# Altium PCB J-Link Cortex with VCOM Adapter.PcbDoc
Units mil, origin at the board's own origin, x right, y up, seen from the top; angles counter-clockwise.
Board outline 1320 x 990 mil, 2 copper layers (Top Layer, Bottom Layer), stack 61.756 mil thick; 19 components, 20 nets, 76 pads, 29 vias.
Unrouted connection lines stored in the file: 9.
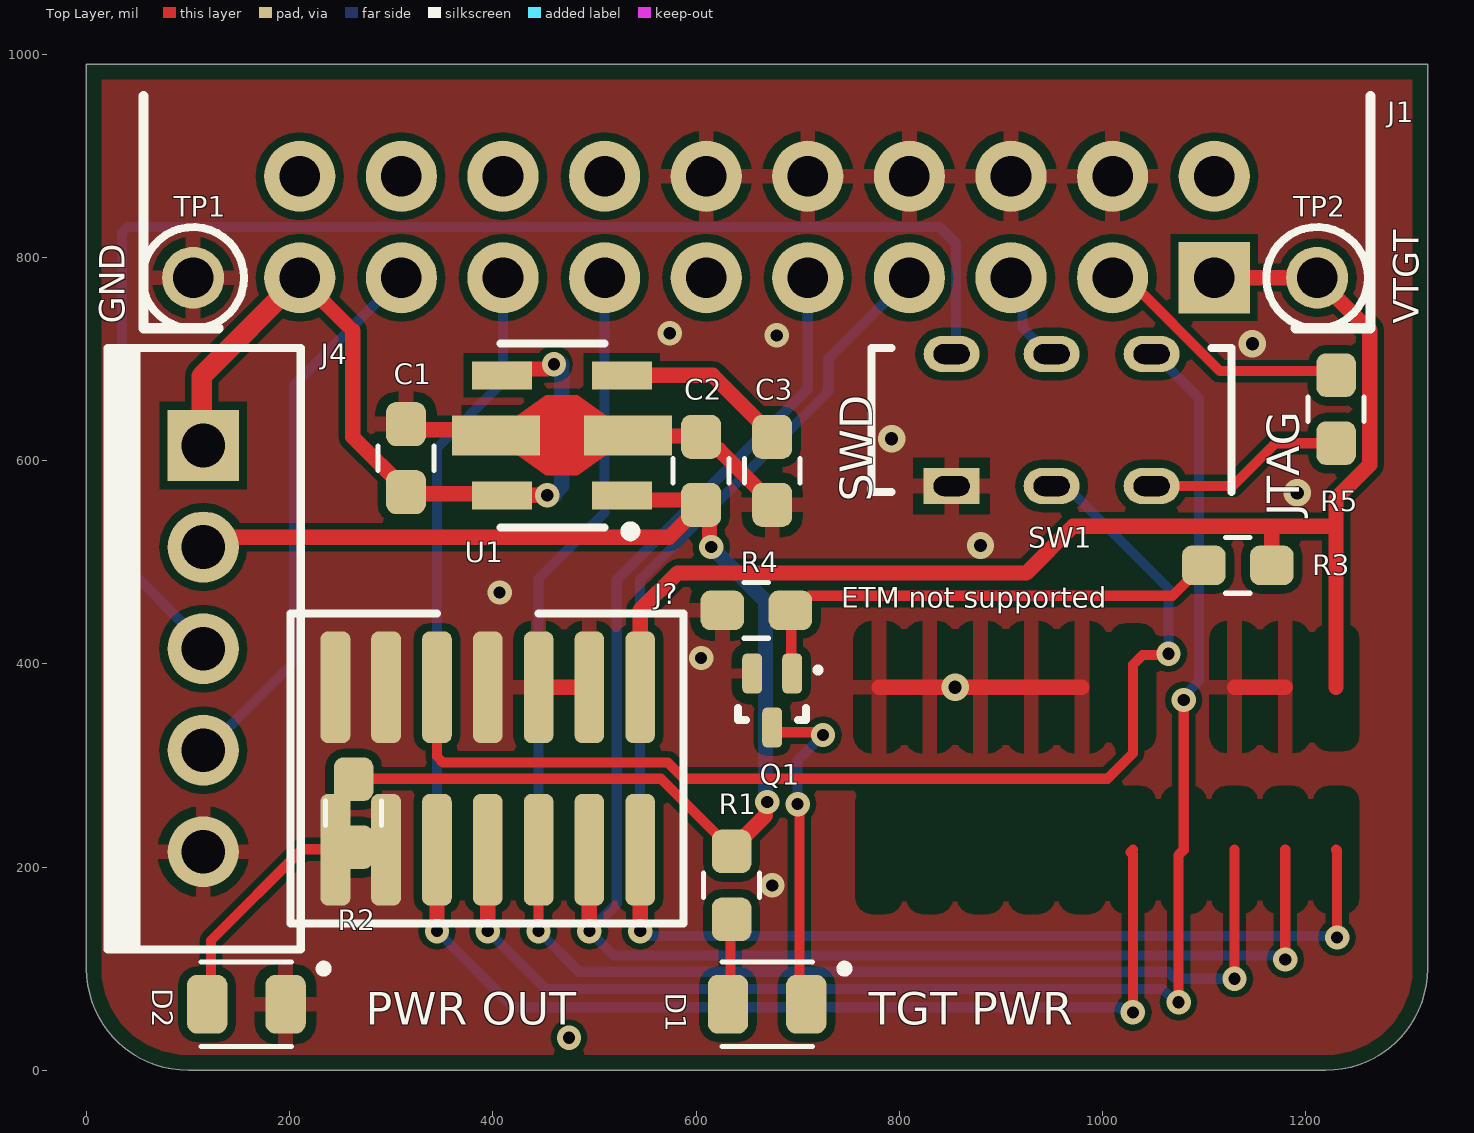
[diagram p0: Top Layer view]
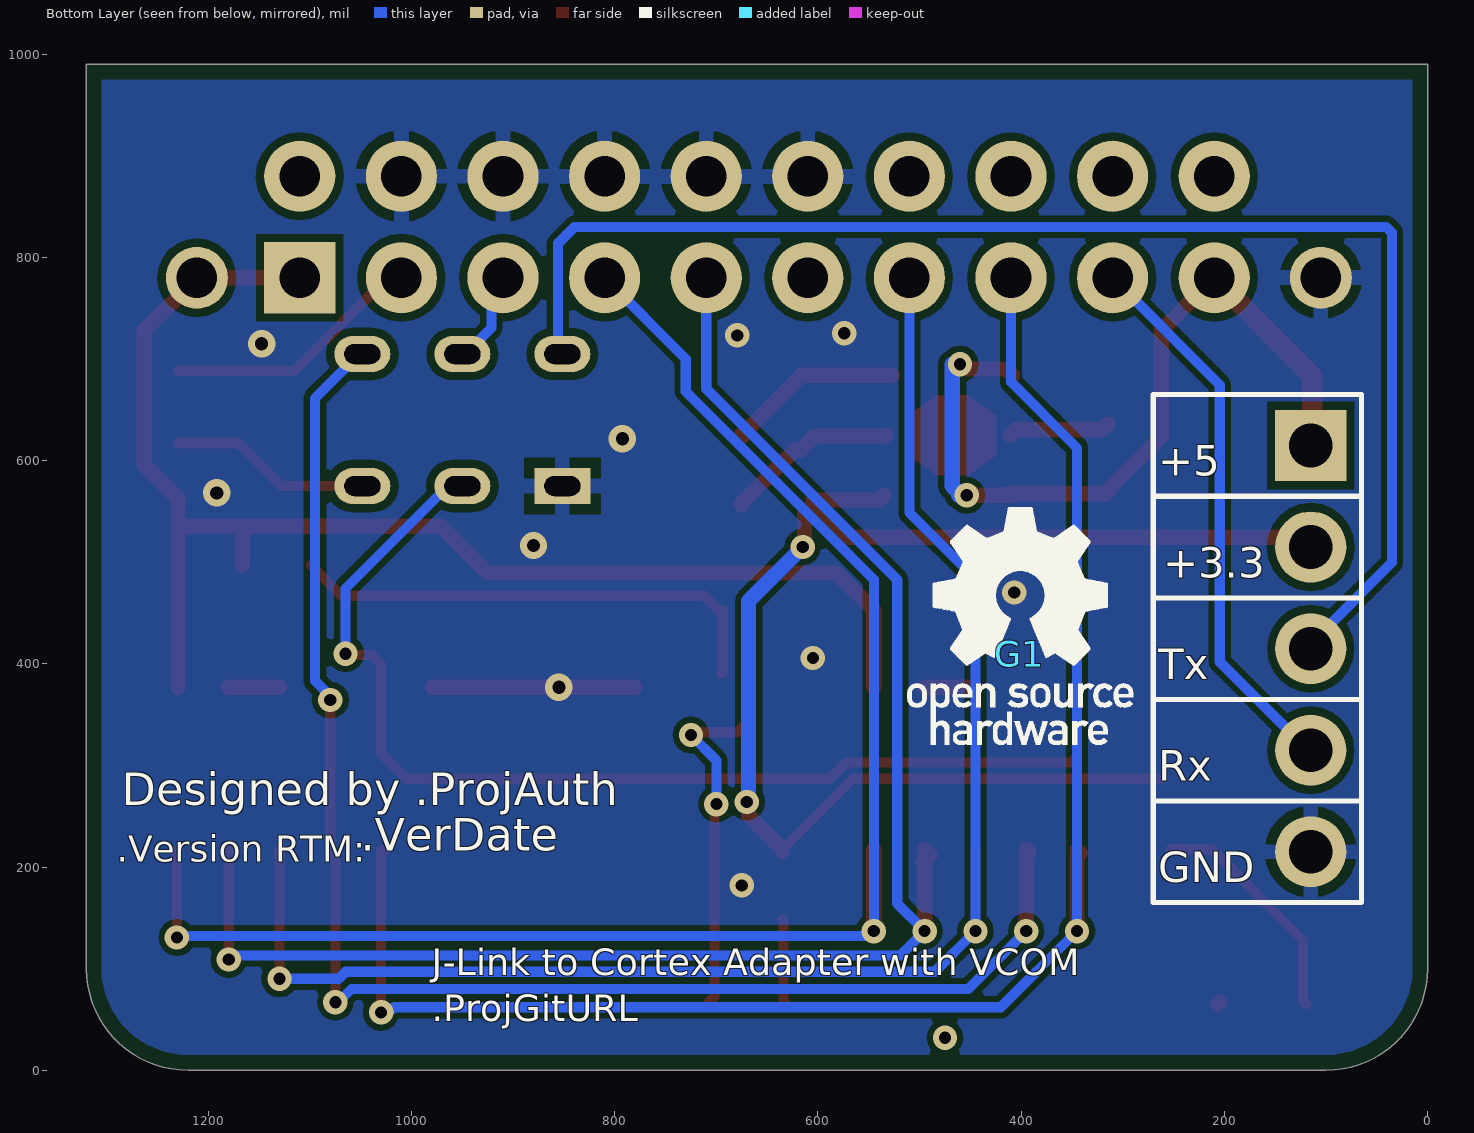
[diagram p1: Bottom Layer view, seen from below]
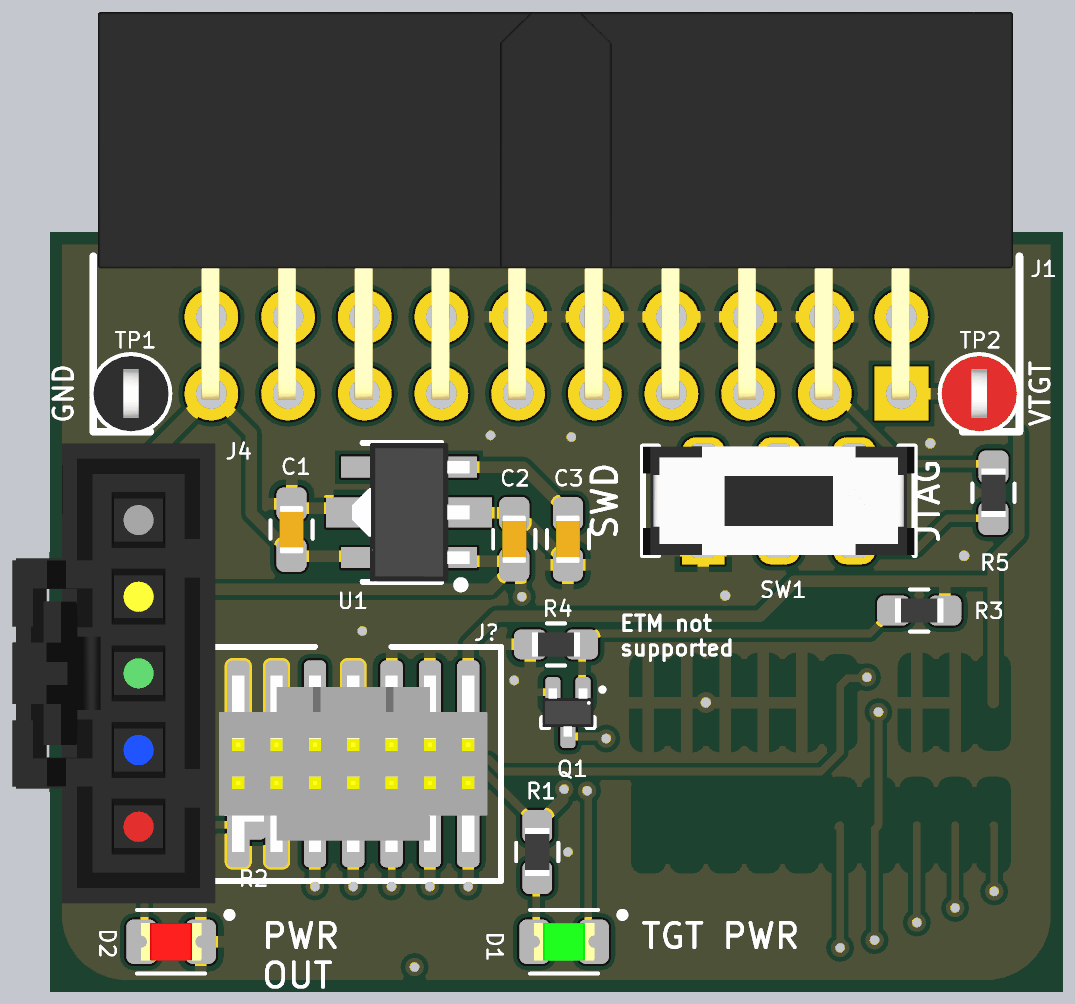
[diagram p2: 3D render of the assembled board from above, using the file's embedded part models]

## Layer stack, top to bottom
Top Solder: solder mask 1, PSR-4000BN, Dk 4.5
Top Layer: signal copper 1.378
Dielectric 1: core 59, Kingboard KB6167F, Dk 4.5
Bottom Layer: signal copper 1.378
Bottom Solder: solder mask 1, PSR-4000BN, Dk 4.5

## Board outline
0,100 ccw(c100,100) 100,0 300.72,0 1220,0 ccw(c1220,100) 1320,100 1320,990 0,990

## Design rules (kind name [scope] priority, off if disabled: settings)
BoardOutlineClearance [All] p1: gap=15 ignorepadtopadclearanceinfootprint=FALSE
Clearance [All] p1: gap=6 ignorepadtopadclearanceinfootprint=FALSE except(8: SMDPad-Poly THPad-Poly; 12: Arc-Hole Track-Hole SMDPad-Hole THPad-Hole Via-Hole Fill-Hole Poly-Hole Region-Hole Text-Hole)
ComponentClearance [All] p1: gap=5 collisioncheckmode=3 verticalgap=5 showdistances=TRUE
Creepage [All] p1: checkdistance=3 ignoreinternallayers=FALSE
DiffPairsRouting [All] p1: maxlimit=10 minlimit=5 mostfreqgap=5 toplayer_minwidth=5 toplayer_maxwidth=1000 toplayer_prefwidth=5 bottomlayer_minwidth=5 bottomlayer_maxwidth=1000 bottomlayer_prefwidth=5 maxuncoupledlength=500
Height [All] p1: minheight=0 maxheight=71497.94 prefheight=500
HoleSize [All] p1: absolutevalues=TRUE maxlimit=248.03 minlimit=10 maxpercent=80.000 minpercent=20.000
HoleToHoleClearance [All] p1: gap=9.84 allowstackedmicrovias=FALSE
MinimumAnnularRing [All] p1: minimumring=3
MinimumSolderMaskSliver [All] p1: minsoldermaskwidth=4
PasteMaskExpansion "THT Paste" [IsThruPin or IsThruVia or IsVia] p1: expansion=-99999
PasteMaskExpansion [All] p2: expansion=0
PlaneClearance [All] p1: clearance=5
PlaneConnect PlaneConnectPowerPads [InPadClass('PowerPads')] p1: planeconnectstyle=Direct reliefexpansion=20 reliefentries=4 reliefconductorwidth=10 reliefairgap=10
PlaneConnect [All] p2: pad.planeconnectstyle=Relief pad.reliefexpansion=11.81 pad.reliefentries=4 pad.reliefconductorwidth=5 pad.reliefairgap=5 via.planeconnectstyle=Direct via.reliefexpansion=11.81 via.reliefentries=4 via.reliefconductorwidth=5 via.reliefairgap=5
PolygonConnect PolygonConnectPowerPads [All vs InPolygonClass('PWRPLY')] p1: thpad.connectstyle=Relief thpad.reliefconductorwidth=15 thpad.reliefentries=4 thpad.polygonreliefangle="90 Angle" thpad.airgapwidth=10 smdpad.connectstyle=Relief smdpad.reliefconductorwidth=15 smdpad.reliefentries=4 smdpad.polygonreliefangle="90 Angle" smdpad.airgapwidth=10 via.connectstyle=Direct via.reliefconductorwidth=10 via.reliefentries=4 via.polygonreliefangle="90 Angle" via.airgapwidth=10
PolygonConnect [All] p2: thpad.connectstyle=Relief thpad.reliefconductorwidth=8 thpad.reliefentries=4 thpad.polygonreliefangle="90 Angle" thpad.airgapwidth=8 smdpad.connectstyle=Relief smdpad.reliefconductorwidth=5 smdpad.reliefentries=4 smdpad.polygonreliefangle="90 Angle" smdpad.airgapwidth=5 via.connectstyle=Direct via.reliefconductorwidth=5 via.reliefentries=4 via.polygonreliefangle="90 Angle" via.airgapwidth=5
RoutingCorners [All] p1: cornerstyle=45-Degree minsetback=250 maxsetback=100
RoutingVias [All] p1: holewidth=12 width=24 viastyle="Through Hole" minholewidth=10 minwidth=20 maxholewidth=23.62 maxwidth=259.84
SilkToSilkClearance [All] p1: silktosilkclearance=3
SilkToSolderMaskClearance [IsPad or IsVia] p1: minsilkscreentomaskgap=3 clearancetoexposedcopper=FALSE
SolderMaskExpansion TentedVias [IsVia] p1: expansion=4 istentingtop=TRUE
SolderMaskExpansion [All] p2: expansion=3 istentingtop=FALSE
UnRoutedNet [All] p1: checkbadconnections=TRUE
Width PWRWIDTH [InNetClass('PWR')] p1: maxlimit=40 minlimit=10 preferedwidth=15 minimp=50.000000 maximp=50.000000 favimp=50.000000
Width [All] p2: maxlimit=1000 minlimit=6 preferedwidth=10 minimp=50.000000 maximp=50.000000 favimp=50.000000
17 further rules are at their usual default settings.

## Classes and differential pairs
component class FTDI_INT: J4
polygon class PWRPLY: BOTGND TOPGND
net class PWR: +3.3 +5 GND NetC3_2
component class "J-Link to STDC14": C1 C2 C3 D1 D2 HW1 J1 R1 R2 R3 R4 R5 SW1 U1

## Components (designator, comment, footprint, x,y, rotation, side; value= is the part's Value field where it differs from the comment)
C1 "CAP 0603 0.47UF 16V 10% X7R" 0603_CAP 314.53,602.53 r270 top value=0.47UF
C2 "CAP 0603 0.47UF 16V 10% X7R" 0603_CAP 605,590 r270 top value=0.47UF
C3 "CAP 0603 0.01UF 16V 10% X7R" 0603_CAP 675,590 r90 top value=0.01UF
D1 "Green LED" SM0805GCL 670,65 r180 top
D2 "Red LED" SM0805HCL 157.4,65 r180 top
G1 "Comment" OSHW_.25in 401.62,410 r180 bottom
J1 "20 contact Female header, RA" SFH11-PBPC-D10-RA-BK 660,1110.31 r180 top locked
J4 "5 contacts Male header" "70543-0109 - slim" 115,615 r90 top
J? "STDC14 Debug Connector" FTSH-107-01-F-DV-K 445,297.01 r180 top locked
Q1 "N-Channel MOSFET" SC89 675,363.9 r270 top
R1 "RES 0603 680 1%" 0603_RES 635,182.01 r90 top value=680
R2 "RES 0603 680 1%" 0603_RES 263,253.01 r90 top value=680
R3 "RES 0603 1K 1%" 0603_RES 1133.2,497.01 r180 top value=1K
R4 "RES 0603 10K 1%" 0603_RES 659.41,452.73 r0 top value=10K
R5 "RES 0603 10K 1%" 0603_RES 1230,650.64 r270 top value=10K
SW1 "SWITCH SLIDE DPDT 300MA 6V" JS202011CQN 950,640 r0 top
TP1 "5001" KSTN-5001 105,780 r180 top
TP2 "5000" KSTN-5000 1211.3,780 r180 top
U1 "3.3V LDO Soft start reverse current reverse voltage" SOT89-5_NJR 467.92,625 r180 top

## Footprints (in the part's own frame and the unit in brackets; to place one, negate y for a bottom-side part, rotate by r counter-clockwise, add the part's x,y. Pads: shape width x height; smd on the part's side, far side on the other; paste and mask are expansions set on the pad)
0603_CAP [mm]
  rrect50% 1.1x1 smd: 1(-0.85,0) 2(0.85,0)
  silkscreen extent -0.3,-0.7 0.3,0.7, body extent -0.8,-0.4 0.8,0.4, height 0.6
0603_RES [mil]
  rrect50% 43x39 smd: 1(-33.46,0) 2(33.46,0)
  silkscreen extent -12,-28 12,28, body extent -31,-16 32,16, height 24
"70543-0109 - slim" [mil]
  rect 70x70 / inner round 70 / far side rect 70x70 hole 43: 1(0,0)
  round 70 hole 43: 2(-100,0) 3(-200,0) 4(-300,0) 5(-400,0)
  silkscreen extent -496,-96 96,94, body extent -500,-100 100,164, height 1156
FTSH-107-01-F-DV-K [mil]
  rrect50% 29.13x109.84 smd: 1(-100,-80) 2(-100,80) 3(-50,-80) 4(-50,80) 5(0,-80) 6(0,80) 7(50,-80) 8(50,80) 9(100,-80) 10(100,80)
  rrect50% 29.5x109.84 smd: 11(150,-80) 12(150,80) 13(200,-80) 14(200,80)
  silkscreen extent -143,-153 244,153, body extent -125,-115 225,115, height 241
JS202011CQN [mm]
  rect 1.4x0.9 hole 0.5 slot 0.9 at 0 deg paste-1000: 1(-2.5,-1.65)
  oval 1.4x0.9 hole 0.5 slot 0.9 at 0 deg paste-1000: 2(0,-1.65) 3(2.5,-1.65) 4(2.5,1.65) 5(0,1.65) 6(-2.5,1.65)
  silkscreen extent -4.5,-1.8 4.5,1.8, body extent -4.5,-1.8 4.5,1.8, height 5.5
KSTN-5000 [mm] "Test Point, Through Hole, Dia 2.54mm"
  round 1.55 hole 1.016: 1(0,0)
  silkscreen extent -1.27,-1.27 1.27,1.27, body extent -1.25,-1.25 1.25,1.25, height 4.62
KSTN-5001 [mm] "Test Point, Through Hole, Dia 2.54mm"
  round 1.55 hole 1.016: 1(0,0)
  silkscreen extent -1.27,-1.27 1.27,1.27, body extent -1.25,-1.25 1.25,1.25, height 4.62
OSHW_.25in [mil]
  silkscreen extent -110,-90 112,144
SC89 [mm] "SOT-416FL, 3-Leads, Body 1.60x1.60mm, Pitch 0.50mm, IPC Low Density"
  rrect50% 1x0.5 smd: 1(-0.675,0.5) 2(-0.675,-0.5) 3(0.675,0)
  silkscreen extent -0.77,-0.85 0.48,1.16, body extent -0.8,-0.85 0.8,0.85, height 0.85
SFH11-PBPC-D10-RA-BK [mil] "CONN HDR 20POS 0.1 GOLD PCB R/A"
  rect 70x70 hole 40 paste-39370.1: 1(-450,330.31)
  round 70 hole 40 paste-39370.1: 2(-450,230.31) 3(-350,330.31) 4(-350,230.31) 5(-250,330.31) 6(-250,230.31) 7(-150,330.31) 8(-150,230.31) 9(-50,330.31) 10(-50,230.31) 11(50,330.31) 12(50,230.31) 13(150,330.31) 14(150,230.31) 15(250,330.31) 16(250,230.31) 17(350,330.31) 18(350,230.31) 19(450,330.31) 20(450,230.31)
  silkscreen extent -604,151 604,380, body extent -596,-167 598,338, height 280
SM0805GCL [mm]
  rrect50% 1.01x1.47 smd: A(0.98,0) K(-0.98,0)
  silkscreen extent -2.03,-1.05 1.13,1.05, body extent -1,-0.62 1,0.62, height 1.12
SM0805HCL [mm]
  rrect50% 1.01x1.47 smd: A(0.98,0) K(-0.98,0)
  silkscreen extent -2.03,-1.05 1.13,1.05, body extent -1,-0.62 1,0.62, height 1.12
SOT89-5_NJR [mm] "SOT89, 3-Leads, Body 4.50x2.45mm, Pitch 1.50mm, Lead Span 3.5mm, IPC Medium Density"
  rect 1.5x0.7 smd: 1(-1.5,1.5) 3(-1.5,-1.5) 4(1.5,-1.5) 5(1.5,1.5)
  rect 2.2x1 smd: 2(-1.65,0) 2(1.65,0)
  Top Layer region: -1.1,0.5 -0.4,1 0.4,1 1.1,0.5 1.1,-0.5 0.4,-1 -0.4,-1 -1.1,-0.5
  silkscreen extent -1.84,-2.3 1.54,2.52, body extent -2,-2.3 1.9,2.3, height 1.6

## Part data
C1 C2: "Capacitor Surface Mount 0603 Footprint 0.47UF 16V 10% Tolerance Ceramic X7R", Manufacturer=Various, PCB Package=0603, Tolerance=10%, Voltage=16V, ComponentLink1Description="Manufacturer Website", ComponentLink2Description="Component Datasheet", ComponentLink3Description="Octopart Link", Description in Visual="Cap SMT 0603 0.47UF 16V 10%  Cer X7R", Manufacturer P/N=Various, P/N="CAP 0603 0.47UF 16V 10% X7R", Type="Ceramic X7R", Val=0.47UF, Vol=16V
C3: "Capacitor Surface Mount 0603 Footprint 0.01UF 16V 10% Tolerance Ceramic X7R", Manufacturer=Various, PCB Package=0603, Tolerance=10%, Voltage=16V, ComponentLink1Description="Manufacturer Website", ComponentLink2Description="Component Datasheet", ComponentLink3Description="Octopart Link", Description in Visual="Cap SMT 0603 0.01UF 16V 10%  Cer X7R", Manufacturer P/N=Various, P/N="CAP 0603 0.01UF 16V 10% X7R", Type="Ceramic X7R", Val=0.01UF, Vol=16V
D1: library part SM0805GCL, "Green 574nm LED Indication - Discrete 1.9V 0805 (2012 Metric)", Color=Green, Manufacturer=Bivar, Millicandela Rating=3.6mcd, Package Class="Surface Mount", PCB Package=0805, Test Current=2mA, Voltage Rating=1.9V, ComponentLink1Description="Manufacturer Website", ComponentLink1URL=#https://www.bivar.com/#, ComponentLink2Description="Component Datasheet", ComponentLink2URL=https://www.bivar.com/parts_content/Datasheets/SM0805HCL.pdf, ComponentLink3Description="Octopart Link", ComponentLink3URL=#https://octopart.com/sm0805gcl-bivar-22059573?r=sp#, Configuration=Single, Description in Visual="Green 574nm LED Indication - Discrete 1.9V 0805 (2012 Metric)", Lens Style=Square, Lens Type=Clear, Manufacturer P/N=SM0805GCL, P/N=SM0805GCL, Viewing Angle=130°, Wavelength=574nm
D2: library part SM0805HCL, "Red 631nm LED Indication - Discrete 1.9V 0805 (2012 Metric)", Color=Red, Manufacturer=Bivar, Millicandela Rating=11.5mcd, Package Class="Surface Mount", PCB Package=0805, Test Current=2mA, Voltage Rating=1.9V, ComponentLink1Description="Manufacturer Website", ComponentLink1URL=#https://www.bivar.com/#, ComponentLink2Description="Component Datasheet", ComponentLink2URL=https://www.bivar.com/parts_content/Datasheets/SM0805HCL.pdf, ComponentLink3Description="Octopart Link", ComponentLink3URL=#https://octopart.com/sm0805hcl-bivar-2191581?r=sp#, Configuration=Single, Description in Visual="Red 631nm LED Indication - Discrete 1.9V 0805 (2012 Metric)", Lens Style=Square, Lens Type=Clear, Manufacturer P/N=SM0805HCL, P/N=SM0805HCL, Viewing Angle=130°, Wavelength=631nm
J1: library part SFH11-PBPC-D10-RA-BK, "20 Position Header Connector  Through Hole, Right Angle", Manufacturer=Sullins, PCB Package="2x10 THT", Supplier Part Number 1=S9205-ND, ComponentLink1Description="Manufacturer Website", ComponentLink1URL=https://www.sullinscorp.com/, ComponentLink2Description="Component Datasheet", ComponentLink2URL=https://datasheet.ciiva.com/754/sfh11-pxxc-dxx-ra-xx11161-c-754566.pdf?src-supplier=Digi-Key, Description in Visual="Con Hdr Female 20 contacts horizontal 2X10 keyed", Manufacturer P/N=SFH11-PBPC-D10-RA-BK, Number of Contacts=20, Number of Rows=2, Orientation=horizontal, P/N=SFH11-PBPC-D10-RA-BK, Pitch="0.100\"", Supplier 1=Digi-Key
J4: library part FTDI_TTL_6PIN, "Connector Header Through Hole 6 position 0.100\" (2.54mm)", Manufacturer=Generic, Manufacturer P/N=Various, Supplier Part Number 1=2057-PH1-06-UA-ND, ComponentLink1Description="Pinout Reference", ComponentLink1URL=https://www.ftdichip.com/Support/Documents/DataSheets/Cables/DS_TTL-232R_CABLES.pdf, ComponentLink2Description="Datasheet for Connector", ComponentLink2URL=http://www.adam-tech.com/downloader.php?p=PH1-XX-UA.pdf, Contact Finish=Gold, Description in Visual="Connector Header Through Hole 6 position 0.100\" (2.54mm)", Gender=Male, Number of Contacts=6, Number of Rows=1, Orientation=Vertical, P/N=FTDI_TTL_6PIN, Pitch="0.100\"", Supplier 1=Digi-Key, Supplier 2=Digi-Key, Supplier Part Number 2=732-5319-ND
J?: library part STDC14-Debug, "STDC14 Debug Connector (ST Micro extension to the Cortex 10 Pin), 0.050\" (1.27mm) Pitch", Manufacturer=Samtec, Manufacturer P/N=FTSH-107-01-F-DV-K, Supplier Part Number 1=SAM13170TR-ND, ComponentLink1Description="Pinout Reference", ComponentLink1URL=https://www.st.com/resource/en/user_manual/dm00526767-stlinkv3set-debuggerprogrammer-for-stm8-and-stm32-stmicroelectronics.pdf, ComponentLink2Description="Datasheet for Connector", ComponentLink2URL=http://suddendocs.samtec.com/catalog_english/ftsh_smt.pdf, Contact Finish=Gold, Description in Visual="STDC14 Debug Connector (ST Micro extension to the Cortex 10 Pin), 0.050\" (1.27mm) Pitch", Gender=Male, Number of Contacts=14, Number of Rows=2, Orientation=Vertical, P/N=STDC14-Debug, Pitch="0.050\"", Supplier 1=Digi-Key, Supplier 2=Digi-Key, Supplier 3=Digi-Key, Supplier Part Number 2=612-FTSH-107-01-F-DV-K-ND, Supplier Part Number 3=FTSH-107-01-F-DV-K-P-ND
Q1: library part RE1C002UNTCL, "N-Channel 20V 200mA (Ta) 150mW (Ta) Surface Mount EMT3F (SOT-416FL)", Manufacturer="Rohm Semiconductor", Package Class="Surface Mount", PCB Package=EMT3F, ComponentLink1Description="Manufacturer Website", ComponentLink1URL=#http://www.rohm.com#, ComponentLink2Description="Component Datasheet", ComponentLink2URL=https://d1d2qsbl8m0m72.cloudfront.net/en/products/databook/datasheet/discrete/transistor/mosfet/re1c002untcl-e.pdf, ComponentLink3Description="Octopart Link", ComponentLink3URL=#https://octopart.com/re1c002untcl-rohm-30008399?r=sp#, ComponentLink4Description="SPICE Model", ComponentLink4URL=http://rohmfs.rohm.com/en/products/library/spice/discrete/transistor/mosfet/re1c002un.lib, Description in Visual="N-Channel 20V 200mA (Ta) 150mW (Ta) Surface Mount EMT3F (SOT-416FL)", ID (Amps)=200, Manufacturer P/N=RE1C002UNTCL, P/N=RE1C002UNTCL, RDSon (mOhms)=800, Rth(JC) (K/W)=833, Vdss (V)=20
R1 R2: "Resistor Surface Mount, 680 Ohms, 0603 Footprint, 1% Tolerance 0.1W", Manufacturer=Various, PCB Package=0603, Power_Rating=0.1W, Supplier Part Number 1=541-680HCT-ND, Tolerance=1%, Description in Visual="Res SMT 680 0603  1%  0.1W", Manufacturer P/N=Various, P/N="RES 0603 680 1%", Supplier 1=Digi-Key, Supplier 2=Digi-Key, Supplier 3=Digi-Key, Supplier 4=Digi-Key, Supplier Part Number 2=2019-RK73H1JTTD6800FCT-ND, Supplier Part Number 3=P680HCT-ND, Supplier Part Number 4=YAG3356CT-ND, Tol=1%, Val=680
R3: "Resistor Surface Mount, 1K Ohms, 0603 Footprint, 1% Tolerance 0.1W", Manufacturer=Various, PCB Package=0603, Power_Rating=0.1W, Supplier Part Number 1=2019-RK73H1JTTD1001FCT-ND, Tolerance=1%, Description in Visual="Res SMT 1K 0603  1%  0.1W", Manufacturer P/N=Various, P/N="RES 0603 1K 1%", Supplier 1=Digi-Key, Supplier 2=Digi-Key, Supplier 3=RSComponents, Supplier 4=Digi-Key, Supplier Part Number 2=541-1166-1-ND, Supplier Part Number 3=1051155, Supplier Part Number 4=311-1.00KHRCT-ND, Tol=1%, Val=1K
R4 R5: "Resistor Surface Mount, 10K Ohms, 0603 Footprint, 1% Tolerance 0.1W", Manufacturer=Various, PCB Package=0603, Power_Rating=0.1W, Supplier Part Number 1=P10.0KHCT-ND, Tolerance=1%, Description in Visual="Res SMT 10K 0603  1%  0.1W", Manufacturer P/N=Various, P/N="RES 0603 10K 1%", Supplier 1=Digi-Key, Supplier 2=Digi-Key, Supplier 3=Newark, Supplier 4=Digi-Key, Supplier Part Number 2=541-10.0KHCT-ND, Supplier Part Number 3=68R0128, Supplier Part Number 4=A106048CT-ND, Tol=1%, Val=10K
SW1: library part JS202011CQN, "Slide Switch DPDT Through Hole", Manufacturer=C&K, Rated Current (A)=300mA, Rated Voltage (V)=6VDC, Supplier Part Number 1=401-2001-ND, Temperature Range="-40°C ~ 85°C", Actuator Height=2.0mm, Electrical Life="5000 Cycles", Manufacturer Part Number=JS202011CQN, Mounting Style="Through Hole", Number of Switches=1, P/N=JS202011CQN, Supplier 1=Digi-Key, Switch Function=On-On, Throw Configuration=DPDT, Type=Slide
TP1: "Test Point, Black, 1-Pin THD, RoHS, Bulk", Color=Black, Manufacturer=KeystoneElectronics, Supplier Part Number 1=36-5001-ND, Brand=KeystoneElectronics, Contact Material=PhosphorBronze, Datasheet URL=https://ciiva.com/datasheet-click-2917627?src=ciiva&sig=bd195616, Datasheet Version="Rev. G, 12/2008", Length=7.62mm, Manufacturer URL=http://www.keyelco.com/, Material=Nylon, Mounting Hole Size=1mm, Outside Diameter=2.54mm, Packaging=Bulk, Plating=Silver, Product=TestPoints, Product Category=CircuitBoardHardware-PCB, RoHS=True, Supplier 1=Digi-Key, Type=Miniature
TP2: "Test Point, Red, 1-Pin THD, RoHS, Bulk", Color=Red, Manufacturer=KeystoneElectronics, Supplier Part Number 1=36-5000-ND, Brand=KeystoneElectronics, Contact Material=PhosphorBronze, Datasheet URL=https://ciiva.com/datasheet-click-2917627?src=ciiva&sig=bd195616, Datasheet Version="Rev. G, 12/2008", Length=7.62mm, Manufacturer URL=http://www.keyelco.com/, Material=Nylon, Mounting Hole Size=1mm, Outside Diameter=2.54mm, Packaging=Bulk, Plating=Silver, Product=TestPoints, Product Category=CircuitBoardHardware-PCB, RoHS=True, Supplier 1=Digi-Key, Type=Miniature
U1: library part NJM12884U2-33, "Linear Voltage Regulator IC  1 Output  500mA SOT-89-5", Manufacturer="NJR Corporation/NJRC", Manufacturer P/N=NJM12884U2-33-TE1, Output Voltage (Volts)=3.3V, PCB Package=SOT89-5-2, Quiescent Current (mA)=0.280, Supplier Part Number 1=190-NJM12884U2-33-TE1CT-ND, Temperature Range="-40°C - 125°C", Vin Max (Volts)=6.5, Vin Min (Volts)=3.48, ComponentLink1Description="Manufacturer's Website", ComponentLink2Description="Component Datasheet", ComponentLink2URL=https://www.njr.com/semicon/PDF/NJM12884_E.pdf, ComponentLink3Description="Octopart Link", ComponentLink3URL=#https://octopart.com/njm12884u2-33-te1-new+japan+radio-92406224?r=sp#, Description in Visual="Linear Voltage Regulator IC  1 Output  500mA SOT-89-5", Features="Control, Soft-start, Discharge, Thermal Shutdown, Over-current, Reverse current", Initial Error=±1%, Layout Considerations="Schottky barrier diode is not needed; CIN ≥ 0.33μF; COUT ≥ 0.47μF", P/N=NJM12884U2-33, Supplier 1=Digi-Key, Type=LDO

## Via types
v1: diameter 24, hole 12, Top Layer to Bottom Layer, tented both sides, 24 vias
v2: diameter 27, hole 13, Top Layer to Bottom Layer, tented both sides, 5 vias

## Nets (pads, with @x,y where several pads share a name; then routed paths per layer and width w, separated by ;. In a path a pad name is that pad's centre, name@x,y a point inside that pad or via, vN(x,y) a via of type N, cw(c..) or ccw(c..) an arc to the next point about the centre after c; other vN are vias at no path point)
+3.3: C2.2 J4.2 R1.2 R2.2 U1.1 | length 1357.8
  Top Layer w10: R2.2@263,287.01 565.46,287.01 R1.2@632.22,220.25
  Top Layer w15: J4.2@113.34,526.76 115.5,524.61 573.77,524.61 605,555.83 C2.2 613.28,548.26 613.28,516.72 v1(615,515) ; U1.1@534.71,565.94 539.42,561.24 C2.2@605,561.24 ; R1.2 635,217.47 668.28,250.75 668.28,262.29 v1(670,264.01)
  Bottom Layer w15: v1(615,515) 668.28,461.72 668.28,265.73 v1(670,264.01)
+5: C1.2 J1.19 J4.1 U1.4 U1.5 | length 783.2
  Top Layer w15: J1.19 262.16,727.84 262.16,623.4 314.53,571.03 C1.2 316.09,567.5 415.05,567.5 U1.5@416.6,565.94 ; U1.5 v1(453.57,565.94) ; U1.4 415.14,690.33 453.07,690.33 457.74,695 v1(460.17,695)
  Top Layer w20: J4.1@113.34,626.76 113.34,683.34 J1.19
  Bottom Layer w15: v1@461.31,565.94 461.31,568.38 467.92,574.99 v1@467.92,695
\RESET: J1.15 J?.11 | length 1627.7
  Top Layer w10: v1(1030,57.01) 1030,212.18 1027.59,214.6 1030,217.01
  Top Layer w15: v1@345,142.01 345,210.51 341.75,213.76 345,217.01
  Bottom Layer w10: J1.15 410,677.53 345,612.53 v1(345,137.01) 348.42,133.59 420,62.01 1017.14,62.01 1019.46,59.69 1027.32,59.69 v1(1030,57.01)
\TRST: J1.3 R5.1 | length 258
  Top Layer w10: J1.3 1023.84,780 1115.56,688.28 R5.1@1230,688.28
\TRST_O: R5.2 SW1.3 | length 199
  Top Layer w10: SW1.3 1128.2,575.04 1170.34,617.18 R5.2
GND: C1.1 C2.1 C3.1 D2.K J1.4 J1.6 J1.8 J1.10 J1.12 J4.5 J?.6 J?.8 Q1.2 R4.1 SW1.1 TP1.1 U1.2 | length 325.6
  Top Layer w15: D2.K@204.8,67.01 D2.K@206.81,65 ; C1.1 320.03,630.5 405.2,630.5 U1.2@410.7,625 ; 445,377.01 495,377.01 ; U1.2@532.88,625 533.64,624.23 604.23,624.23 C2.1 605,622.76 617.01,610.76 622.75,610.76 675,558.5 C3.1
  other v1: 675,182.01 605,405.83 406.71,470.29 679.45,723.3 574.08,725.39
  other v2: 880,516.5 1191.79,568.33 792.52,621.5 1147.56,715
NetC3_2: C3.2 U1.3 | length 174.3
  Top Layer w15: U1.3 616.38,684.06 675,625.43 C3.2
NetD1_A: D1.A R1.1 | length 82.5
  Top Layer w10: D1.A@632.6,67.01 633.8,68.21 633.8,147.34 R1.1
NetD1_K: D1.K Q1.3 | length 329.4
  Top Layer w10: Q1.3 679.64,332.68 722.32,332.68 v1(725,330) ; v1(700,262.01) 701.72,260.29 701.72,72.69 D1.K@707.4,67.01
  Bottom Layer w10: v1(700,262.01) 700,305 v1(725,330)
NetD2_A: D2.A R2.1 | length 231.8
  Top Layer w10: D2.A 122.68,68.86 122.68,127.68 212.54,217.54 R2.1@253,217.54
NetQ1_1: Q1.1 R3.2 R4.2 | length 487.5
  Top Layer w10: Q1.1 693.78,391.38 693.78,451.82 R4.2 697.44,452.73 711.73,467.01 1069,467.01 R3.2@1099,497.01
PIN9: J?.12 SW1.2 | length 1120.2
  Top Layer w10: 345,377.01 345,308.87 350.86,303.01 572.09,303.01 588.09,287.01 1005,287.01 1030,312.01 1030,399.22 1039.39,408.61 1063.61,408.61 v1(1065,410)
  Bottom Layer w10: SW1.2 964.19,575.04 1065,474.23 v1(1065,410)
Rx: J1.17 J4.4 | length 544
  Bottom Layer w10: J4.4@113.34,326.76 129.29,326.76 204.5,401.97 204.5,674.5 J1.17
SWDCLK: J1.9 J?.5 | length 1612.4
  Top Layer w10: v1(1180,109.01) 1180,217.01
  Top Layer w15: v1@495,147.01 495,203.01 497,205.01 490,212.01 495,217.01
  Bottom Layer w10: J1.9 710,670.64 522.03,482.68 522.03,164.04 v1(495,137.01) 519,113.01 1176,113.01 v1(1180,109.01)
SWDIO: J1.7 J?.3 | length 1603.1
  Top Layer w10: 1230,217.01 1230.98,216.03 v1(1230.98,130.67)
  Top Layer w15: v1@545,142.01 545,217.01
  Bottom Layer w10: J1.7 730.14,700.14 730.14,668.16 545,483.02 v1(545,137.01) 548.79,137.01 553.79,132.01 1229.64,132.01 v1(1230.98,130.67)
SWO: J1.13 J?.7 | length 1581.4
  Top Layer w10: v1(444.99,137.01) 445,217.01 ; v1(1130,90.01) 1130,217.01
  Bottom Layer w10: J1.13 510,548.93 444.99,483.93 v1(444.99,137.01) 484.99,97.01 1064.77,97.01 1071.77,90.01 v1(1130,90.01)
TDI: J?.9 SW1.4 | length 1458.3
  Top Layer w10: v1(1075,67.01) 1075,212.01 1080,217.01 v1(1080,364.49)
  Top Layer w15: v1(395,137.01) 395,212.01 392.5,214.51 395,217.01
  Bottom Layer w10: v1(395,137.01) 452,80.01 1059.14,80.01 1072.14,67.01 v1(1075,67.01) ; SW1.4 1051.39,704.96 1067.96,688.39 1095,661.35 1095,383.28 1080,368.28 v1(1080,364.49)
Tx: J4.3 SW1.6 | length 1373.6
  Bottom Layer w10: J4.3@113.34,426.76 108.24,426.76 35,500 35,824.28 40.86,830.14 839.32,830.14 856,813.45 856,709.39 SW1.6
Tx/TDI: J1.5 SW1.5 | length 93.3
  Bottom Layer w10: J1.5 921.48,768.52 921.48,730.52 947.04,704.96 SW1.5
VREF_TGT: J1.1 J?.4 R3.1 TP2.1 | length 1373.1
  Top Layer w15: 545,377.01 545,452.84 581.66,489.5 925.07,489.5 971.01,535.44 1166.04,535.44 ; J1.1 TP2.1 1263,728.3 1263,595.8 1230,562.8 1230,535.44 ; R3.1 1166.66,534.82 1166.04,535.44 ; 1230,377.01 1230,535.44 ; 1166.04,535.44 1230,535.44
pads on no net: J1.2 J1.11 J1.14 J1.16 J1.18 J1.20 J?.1 J?.2 J?.10 J?.13 J?.14
copper on no net: | length 250
  Top Layer w15: 780,377.01 830,377.01 880,377.01 930,377.01 980,377.01 ; 1130,377.01 1180,377.01
  other v1: 475,32.01
  other v2: 855,377.01

## Polygon pours and split planes (outlines as drawn)
GND on Top Layer "TOPGND" (solid, remove dead copper, pour order 8): 0,100 ccw(c100,100) 100,0 300.72,0 1220,0 ccw(c1220,100) 1320,100 1320,990 0,990
GND on Bottom Layer "BOTGND" (solid, remove dead copper, pour order 9): 0,100 ccw(c100,100) 100,0 300.72,0 1220,0 ccw(c1220,100) 1320,100 1320,990 0,990

## Other copper
Top Layer:
  region net VREF_TGT: 1224.79,599.97

## Silkscreen, mask and mechanical layers (free items; w line width, h text height)
Top Overlay:
  text "GND" at 37.5,734.94 h25 r90
  text "VTGT" at 1311.5,734.94 h25 r90
  text "SWD" at 773.49,559.51 h32 r90
  text "JTAG" at 1193.49,545.23 h32 r90
  text "ETM not supported" at 742.72,455.06 h20
  text "PWR OUT" at 275,45.01 h32
  text "TGT PWR" at 770,45.01 h32
Bottom Overlay:
  lines w5: 65,265 270,265 ; 65,265 65,165 270,165 270,265 ; 65,265 65,365 ; 65,365 65,465 ; 65,365 270,365 ; 65,465 270,465 ; 65,465 65,565 ; 65,565 65,665 270,665 270,565 ; 65,565 270,565 ; 270,265 270,365 ; 270,365 270,465 ; 270,465 270,565
  text "+5" at 265,585 h30
  text "+3.3" at 260,485 h30
  text "Tx" at 265,385 h30
  text "Rx" at 265,285 h30
  text "Designed by .ProjAuth" at 1285,250 h55
  text ".VerDate" at 1050,205 h55
  text ".Version RTM:" at 1290,205 h26
  text "GND" at 265,185 h30
  text "J-Link to Cortex Adapter with VCOM / .ProjGitURL" at 980,39.6 h45
Board Outline:
  the board outline again, w1
CAM Title Block:
  drawing of 59 lines, arcs and shapes, not listed
  text "1" at -578.29,5306.6 h48.36
  text "2" at 2164.83,5306.6 h48.36
  text "3" at 4917.96,5306.6 h48.36
  text "4" at 7663.58,5306.6 h48.36
  text "A" at -1851.46,4344.46 h48.36
  text "A" at 8949.26,4344.46 h48.36
  text "B" at -1846.46,2219.25 h48.36
  text "B" at 8953.43,2219.25 h48.36
  text "C" at 8952.6,94.88 h48.36
  text "C" at -1842.3,84.88 h48.36
  text "D" at -1849.8,-2030.33 h48.36
  text "D" at 8950.1,-2030.33 h48.36
  text "Title:" at 5360.69,-2111.2 h65.87
  text "'.Pcb_File_Name_No_Path'" at 5710.88,-2111.2 h63.36
  text "Adapter for Segger J-Link to Cortex" at 5610.83,-2209.17 h32.52
  text "Also adds VCOM UART support, 3.3V LDO, and breakouts for power and ground" at 5610.83,-2269.2 h32.52
  text "Desc:" at 5360.69,-2297.96 h42.52
  text "*" at 5610.83,-2345.48 h32.52
  text ".ProjAuth" at 6220.5,-2489.5 h42.52
  text "Letter" at 5560.8,-2493.06 h42.52
  text "Auth:" at 5961.01,-2493.06 h42.52
  text "Proj:" at 7060.76,-2493.06 h42.52
  text "Size:" at 5360.69,-2498.06 h42.52
  text ".ProjShrtName" at 7261.5,-2514.5 h42.52
  text "1" at 7360.92,-2632.71 h37.52
  text "1" at 7661.08,-2632.71 h37.52
  text "Date:" at 5360.69,-2638.96 h37.52
  text "'.ModifiedDate'" at 5610.83,-2638.96 h37.52
  text "Time:" at 6361.22,-2638.96 h37.52
  text "'.ModifiedTime'" at 6571.34,-2638.96 h37.52
  text "Sheet" at 7060.76,-2638.96 h37.52
  text "of" at 7511,-2638.96 h37.52
  text ".ProjGitURL" at 5611.5,-2717 h37.52
  text "Repo:" at 5360.69,-2729 h37.52
  text "File:" at 5360.69,-2829.05 h37.52
  text "'.Pcb_File_Name'" at 5610.83,-2829.05 h37.52
  text "1" at -578.29,-2992.47 h48.36
  text "2" at 2164.83,-2992.47 h48.36
  text "3" at 4917.96,-2992.47 h48.36
  text "4" at 7663.58,-2992.47 h48.36
Drill Drawing:
  circle w8: c4531.51,-1357.87 r16.67
  lines w8: 4514.84,-1674.53 4514.84,-1666.2 4523.17,-1657.87 4514.84,-1649.53 4514.84,-1641.2 4523.17,-1641.2 4531.51,-1649.53 4539.84,-1641.2 4548.17,-1641.2 4548.17,-1649.53 4539.84,-1657.87 4548.17,-1666.2 4548.17,-1674.53 4539.84,-1674.53 4531.51,-1666.2 4523.17,-1674.53 4514.84,-1674.53 ; 4514.84,-1599.53 4548.17,-1599.53 4548.17,-1566.2 4514.84,-1566.2 4514.84,-1599.53 ; 4514.84,-1516.2 4523.17,-1516.2 4531.51,-1524.53 4539.84,-1516.2 4548.17,-1516.2 4539.84,-1507.87 4548.17,-1499.53 4539.84,-1499.53 4531.51,-1491.2 4523.17,-1499.53 4514.84,-1499.53 4523.17,-1507.87 4514.84,-1516.2 ; 4514.84,-1449.53 4531.51,-1441.2 4548.17,-1449.53 4539.84,-1432.87 4548.17,-1416.2 4531.51,-1424.53 4514.84,-1416.2 4523.17,-1432.87 4514.84,-1449.53 ; 4514.84,-1291.2 4523.17,-1291.2 4523.17,-1299.53 4539.84,-1299.53 4539.84,-1291.2 4548.17,-1291.2 4548.17,-1274.53 4539.84,-1274.53 4539.84,-1266.2 4523.17,-1266.2 4523.17,-1274.53 4514.84,-1274.53 4514.84,-1291.2
  lines w15: 4484.01,-1697.03 8585.12,-1697.03 ; 4484.01,-1247.03 8585.12,-1247.03 ; 4769.05,-1772.03 4769.05,-1172.03 ; 5044.98,-1772.03 5044.98,-1172.03 ; 5595.82,-1772.03 5595.82,-1172.03 ; 6146.26,-1772.03 6146.26,-1172.03 ; 6408.8,-1772.03 6408.8,-1172.03 ; 6785.3,-1772.03 6785.3,-1172.03 ; 7541.08,-1772.03 7541.08,-1172.03 ; 7845.6,-1772.03 7845.6,-1172.03 ; 8228.1,-1772.03 8228.1,-1172.03 ; 4484.01,-1772.03 8585.12,-1772.03 8585.12,-1172.03 4484.01,-1172.03 4484.01,-1772.03
  text "Symbol" at 4529.01,-1224.53 h36
  text "Count" at 4791.55,-1224.53 h36
  text "Hole Size" at 5067.48,-1224.53 h36
  text "Hole Tolerance" at 5618.32,-1224.53 h36
  text "Plated" at 6168.76,-1224.53 h36
  text "Hole Type" at 6431.3,-1224.53 h36
  text "Drill Layer Pair" at 6807.8,-1224.53 h36
  text "Via/Pad" at 7563.58,-1224.53 h36
  text "Pad Shape" at 7868.1,-1224.53 h36
  text "Template" at 8250.6,-1224.53 h36
  text "5" at 4791.55,-1299.53 h30
  text "13.00mil (0.330mm)" at 5067.48,-1299.53 h30
  text "PTH" at 6168.76,-1299.53 h30
  text "Round" at 6431.3,-1299.53 h30
  text "Top Layer - Bottom Layer" at 6807.8,-1299.53 h30
  text "Via" at 7563.58,-1299.53 h30
  text "Rounded" at 7868.1,-1299.53 h30
  text "v69h33" at 8250.6,-1299.53 h30
  text "5" at 4791.55,-1374.53 h30
  text "43.00mil (1.092mm)" at 5067.48,-1374.53 h30
  text "PTH" at 6168.76,-1374.53 h30
  text "Round" at 6431.3,-1374.53 h30
  text "Top Layer - Bottom Layer" at 6807.8,-1374.53 h30
  text "Pad" at 7563.58,-1374.53 h30
  text "Rounded" at 7868.1,-1374.53 h30
  text "(Mixed)" at 8250.6,-1374.53 h30
  text "6" at 4791.55,-1449.53 h30
  text "19.69mil (0.500mm)" at 5067.48,-1449.53 h30
  text "PTH" at 6168.76,-1449.53 h30
  text "Slot" at 6431.3,-1449.53 h30
  text "Top Layer - Bottom Layer" at 6807.8,-1449.53 h30
  text "Pad" at 7563.58,-1449.53 h30
  text "(Mixed)" at 7868.1,-1449.53 h30
  text "(Mixed)" at 8250.6,-1449.53 h30
  text "11" at 4791.55,-1524.53 h30
  text "12.00mil (0.305mm)" at 5067.48,-1524.53 h30
  text "PTH" at 6168.76,-1524.53 h30
  text "Round" at 6431.3,-1524.53 h30
  text "Top Layer - Bottom Layer" at 6807.8,-1524.53 h30
  text "Via" at 7563.58,-1524.53 h30
  text "Rounded" at 7868.1,-1524.53 h30
  text "(Mixed)" at 8250.6,-1524.53 h30
  text "13" at 4791.55,-1599.53 h30
  text "12.00mil (0.305mm)" at 5067.48,-1599.53 h30
  text "+/-2.00mil" at 5618.32,-1599.53 h30
  text "PTH" at 6168.76,-1599.53 h30
  text "Round" at 6431.3,-1599.53 h30
  text "Top Layer - Bottom Layer" at 6807.8,-1599.53 h30
  text "Via" at 7563.58,-1599.53 h30
  text "Rounded" at 7868.1,-1599.53 h30
  text "(Mixed)" at 8250.6,-1599.53 h30
  text "22" at 4791.55,-1674.53 h30
  text "40.00mil (1.016mm)" at 5067.48,-1674.53 h30
  text "PTH" at 6168.76,-1674.53 h30
  text "Round" at 6431.3,-1674.53 h30
  text "Top Layer - Bottom Layer" at 6807.8,-1674.53 h30
  text "Pad" at 7563.58,-1674.53 h30
  text "(Mixed)" at 7868.1,-1674.53 h30
  text "(Mixed)" at 8250.6,-1674.53 h30
  text "62 Total" at 4791.55,-1749.53 h30
  text "Slot definitions :" at 4529.01,-1828.02 h30
  text "Routed Path Length" at 5053.75,-1828.02 h30
  text "= Calculated from tool start centre position to tool end centre position." at 5613.49,-1828.02 h30
  text "Hole Length" at 5053.75,-1884.01 h30
  text "= Routed Path Length + Tool Size = Slot length as defined in the PCB layout" at 5408.55,-1884.01 h30
Fab Notes:
  drawing of 353 lines, arcs and shapes, not listed
  text "Fab Design Rule Set: OSHPark" at 6113.83,1266.03 h55
  text "Layer" at 6211.63,1152.06 h30
  text "Name" at 6422.59,1152.06 h30
  text "Material" at 6893.46,1152.06 h30
  text "Thickness" at 7459.3,1152.06 h30
  text "Constant" at 7790.22,1152.06 h30
  text "Board Layer Stack" at 8081.15,1152.06 h30
  text "Top Overlay" at 6422.59,1092.06 h30
  text "Top Solder" at 6422.59,1032.06 h30
  text "PSR-4000BN" at 6893.46,1032.06 h30
  text "1.00mil" at 7459.3,1032.06 h30
  text "4.5" at 7790.22,1032.06 h30
  text "1" at 6211.63,972.06 h30
  text "Top Layer" at 6422.59,972.06 h30
  text "Copper" at 6893.46,972.06 h30
  text "1.38mil" at 7459.3,972.06 h30
  text "Dielectric 1" at 6422.59,912.06 h30
  text "Kingboard KB6167F" at 6893.46,912.06 h30
  text "59.00mil" at 7459.3,912.06 h30
  text "4.5" at 7790.22,912.06 h30
  text "2" at 6211.63,852.06 h30
  text "Bottom Layer" at 6422.59,852.06 h30
  text "Copper" at 6893.46,852.06 h30
  text "1.38mil" at 7459.3,852.06 h30
  text "Bottom Solder" at 6422.59,792.06 h30
  text "PSR-4000BN" at 6893.46,792.06 h30
  text "1.00mil" at 7459.3,792.06 h30
  text "4.5" at 7790.22,792.06 h30
  text "Bottom Overlay" at 6422.59,732.06 h30

## Text inside footprints (layer, text, board x,y; h text height)
C1: Librarian Notes "SS 102512, ADDED SILKSCREEN." at 340.53,660.53 h1 r270
C2: Librarian Notes "SS 102512, ADDED SILKSCREEN." at 631,648 h1 r270
C3: Librarian Notes "SS 102512, ADDED SILKSCREEN." at 649,532 h1 r90
J1: Designer Notes "Recommended Edge" at 1755,995.31 h30 r180
J4: Librarian Notes "LOCATION: MOLEX CONNECTORS.PCBLIB" at -54,313 h1 r90; Librarian Notes "HISTORY: SS 031412, CREATED USING MOLEX SDA-70543-XXXX DRAWING." at -51.9,312.9 h1 r90
R1: Librarian Notes "SS 102512, ADDED SILKSCREEN." at 609,125.01 h1 r90
R2: Librarian Notes "SS 102512, ADDED SILKSCREEN." at 237,196.01 h1 r90
R3: Librarian Notes "SS 102512, ADDED SILKSCREEN." at 1190.2,471.01 h1 r180
R4: Librarian Notes "SS 102512, ADDED SILKSCREEN." at 602.41,478.73 h1
R5: Librarian Notes "SS 102512, ADDED SILKSCREEN." at 1256,707.64 h1 r270